# Altium PCB PCB1.PcbDoc (part 7 of 15)
Units mil, origin at the board's own origin, x right, y up, seen from the top; angles counter-clockwise.
Board outline 9210.27 x 4350.4 mil, 4 copper layers (Top Layer, Layer 1, Layer 2, Bottom Layer), stack 23.756 mil thick; 1550 components, 1731 nets, 5200 pads, 1882 vias.
Unrouted connection lines stored in the file: 605.
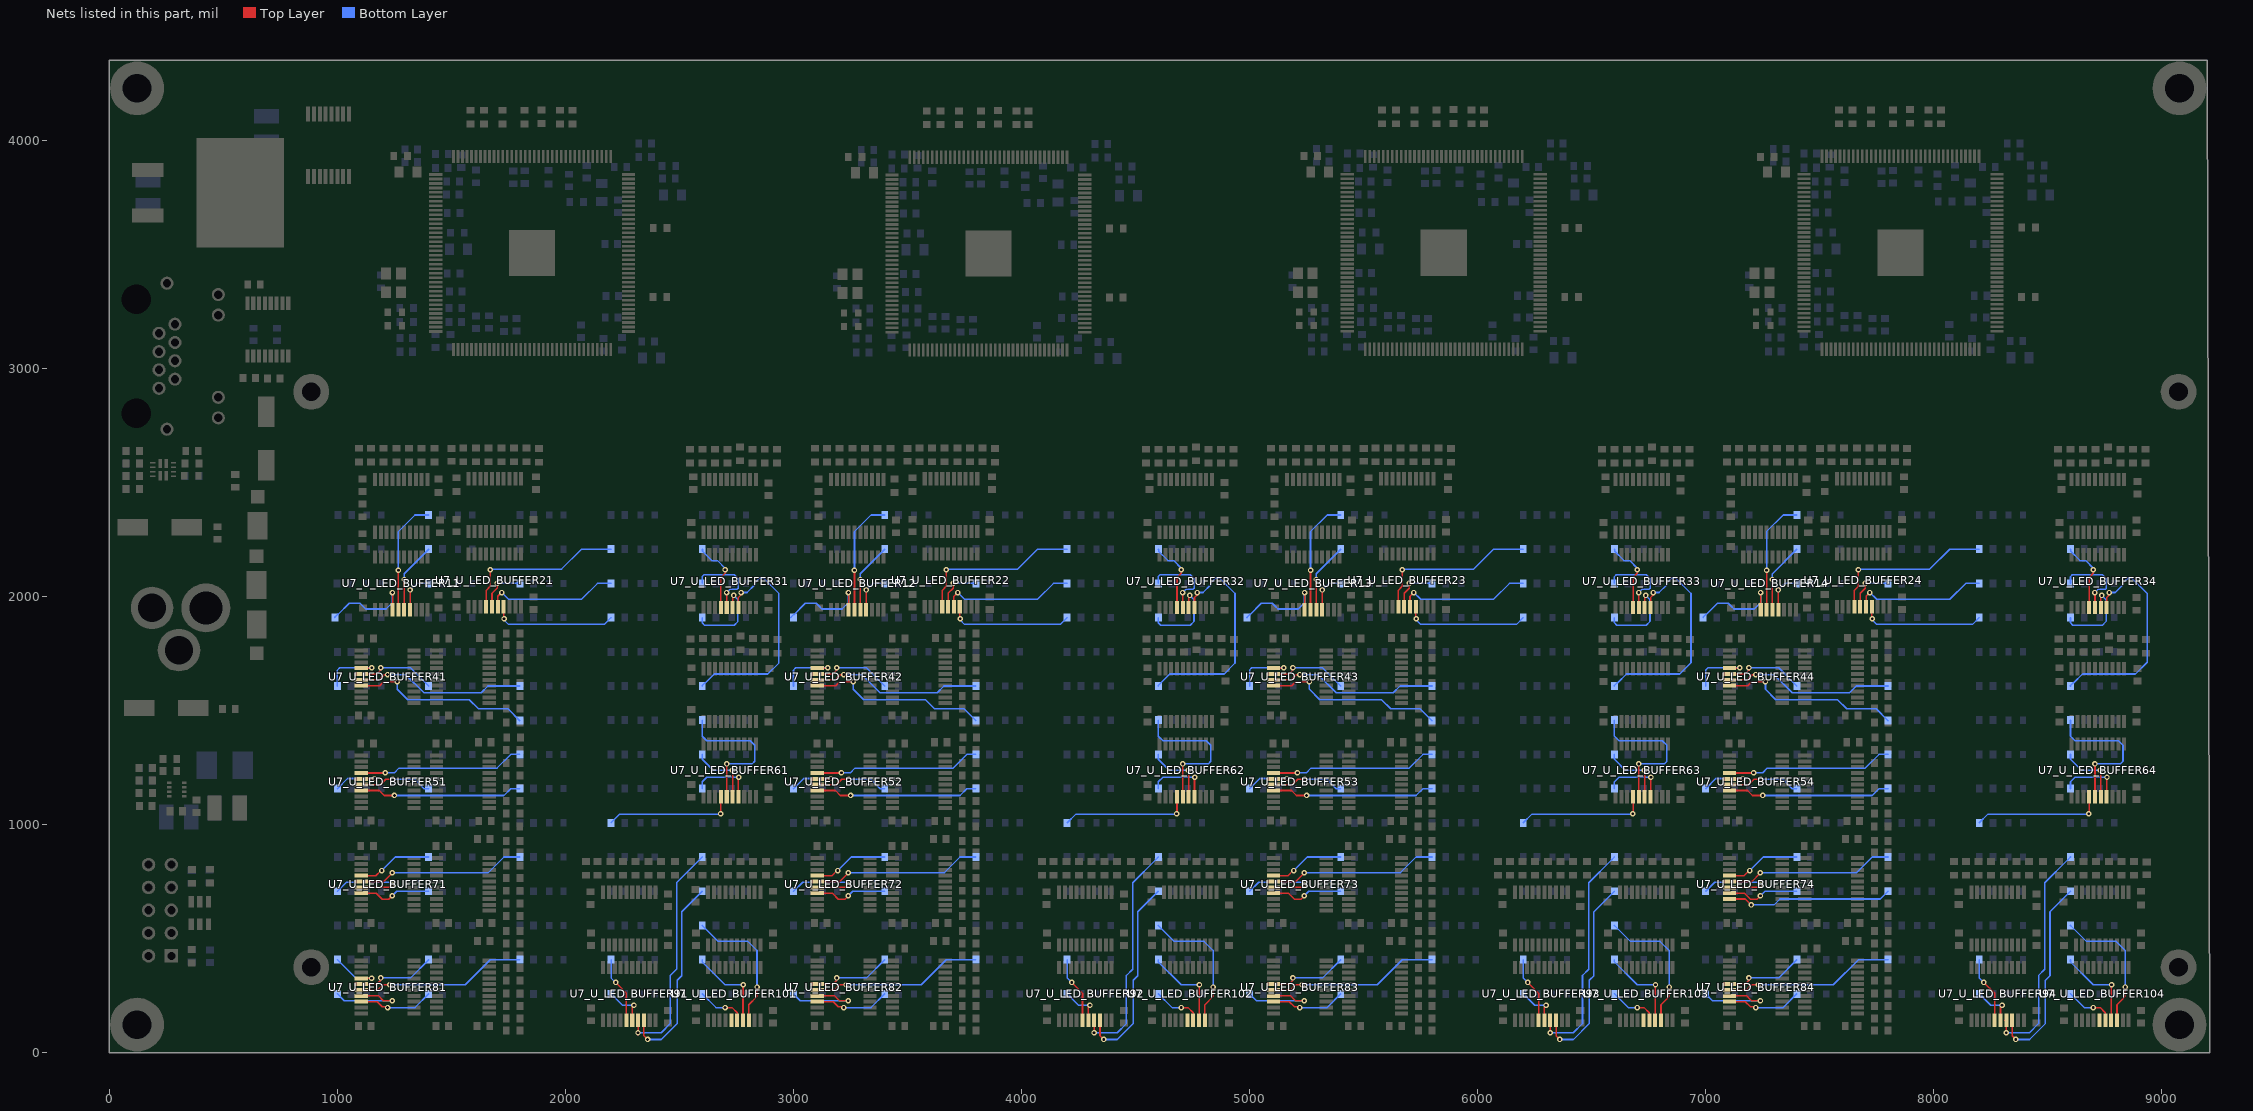
[diagram p9: the nets of this part, all layers, seen from the top]

## Via types
v1: diameter 24, hole 12, Top Layer to Bottom Layer, 1493 vias
v2: diameter 24, hole 12, Top Layer to Bottom Layer, tented both sides, 389 vias

## Nets (pads, with @x,y where several pads share a name; then routed paths per layer and width w, separated by ;. In a path a pad name is that pad's centre, name@x,y a point inside that pad or via, vN(x,y) a via of type N, cw(c..) or ccw(c..) an arc to the next point about the centre after c; other vN are vias at no path point) (continued)
L_OUT1_U_LED_BUFFER74: R9_U_LED_BUFFER74.2 U7_U_LED_BUFFER74.18 | length 731.3
  Top Layer w7: U7_U_LED_BUFFER74.18@7104.96,673.19 7174.61,673.19 v2(7200.63,647.16)
  Bottom Layer w7: v2(7200.63,647.16) 7300.63,647.16 7326.57,673.11 7766.57,673.11 R9_U_LED_BUFFER74.2@7800.63,707.16
L_OUT1_U_LED_BUFFER81: R9_U_LED_BUFFER81.2 U7_U_LED_BUFFER81.18 | length 331.3
  Top Layer w7: U7_U_LED_BUFFER81.18@1104.96,223.19 1174.61,223.19 1197.38,200.42 1217.38,200.42 v2(1220.63,197.16)
  Bottom Layer w7: v2(1220.63,197.16) 1340.63,197.16 R9_U_LED_BUFFER81.2@1400.63,257.16
L_OUT1_U_LED_BUFFER82: R9_U_LED_BUFFER82.2 U7_U_LED_BUFFER82.18 | length 331.3
  Top Layer w7: U7_U_LED_BUFFER82.18@3104.96,223.19 3174.61,223.19 3197.38,200.42 3217.38,200.42 v2(3220.63,197.16)
  Bottom Layer w7: v2(3220.63,197.16) 3340.63,197.16 R9_U_LED_BUFFER82.2@3400.63,257.16
L_OUT1_U_LED_BUFFER83: R9_U_LED_BUFFER83.2 U7_U_LED_BUFFER83.18 | length 331.3
  Top Layer w7: U7_U_LED_BUFFER83.18@5104.96,223.19 5174.61,223.19 5197.38,200.42 5217.38,200.42 v2(5220.63,197.16)
  Bottom Layer w7: v2(5220.63,197.16) 5340.63,197.16 R9_U_LED_BUFFER83.2@5400.63,257.16
L_OUT1_U_LED_BUFFER84: R9_U_LED_BUFFER84.2 U7_U_LED_BUFFER84.18 | length 331.3
  Top Layer w7: U7_U_LED_BUFFER84.18@7104.96,223.19 7174.61,223.19 7197.38,200.42 7217.38,200.42 v2(7220.63,197.16)
  Bottom Layer w7: v2(7220.63,197.16) 7340.63,197.16 R9_U_LED_BUFFER84.2@7400.63,257.16
L_OUT1_U_LED_BUFFER91: R9_U_LED_BUFFER91.2 U7_U_LED_BUFFER91.18 | length 875.5
  Top Layer w7: U7_U_LED_BUFFER91.18@2344.61,141.5 2344.61,73.19 v2(2360.63,57.16)
  Bottom Layer w7: v2(2360.63,57.16) 2420.63,57.16 2490.63,127.16 2490.63,317.16 2510.63,337.16 2510.63,617.16 R9_U_LED_BUFFER91.2@2600.63,707.16
L_OUT1_U_LED_BUFFER92: R9_U_LED_BUFFER92.2 U7_U_LED_BUFFER92.18 | length 875.5
  Top Layer w7: U7_U_LED_BUFFER92.18@4344.61,141.5 4344.61,73.19 v2(4360.63,57.16)
  Bottom Layer w7: v2(4360.63,57.16) 4420.63,57.16 4490.63,127.16 4490.63,317.16 4510.63,337.16 4510.63,617.16 R9_U_LED_BUFFER92.2@4600.63,707.16
L_OUT1_U_LED_BUFFER93: R9_U_LED_BUFFER93.2 U7_U_LED_BUFFER93.18 | length 875.5
  Top Layer w7: U7_U_LED_BUFFER93.18@6344.61,141.5 6344.61,73.19 v2(6360.63,57.16)
  Bottom Layer w7: v2(6360.63,57.16) 6420.63,57.16 6490.63,127.16 6490.63,317.16 6510.63,337.16 6510.63,617.16 R9_U_LED_BUFFER93.2@6600.63,707.16
L_OUT1_U_LED_BUFFER94: R9_U_LED_BUFFER94.2 U7_U_LED_BUFFER94.18 | length 875.5
  Top Layer w7: U7_U_LED_BUFFER94.18@8344.61,141.5 8344.61,73.19 v2(8360.63,57.16)
  Bottom Layer w7: v2(8360.63,57.16) 8420.63,57.16 8490.63,127.16 8490.63,317.16 8510.63,337.16 8510.63,617.16 R9_U_LED_BUFFER94.2@8600.63,707.16
L_OUT1_U_LED_BUFFER101: R9_U_LED_BUFFER101.2 U7_U_LED_BUFFER101.18 | length 606.2
  Top Layer w7: U7_U_LED_BUFFER101.18@2804.61,141.5 2804.61,209.53 2840.63,245.55 v2(2840.63,287.16)
  Bottom Layer w7: R9_U_LED_BUFFER101.2@2600.63,557.16 2670.63,487.16 2800.63,487.16 2840.63,447.16 v2(2840.63,287.16)
L_OUT1_U_LED_BUFFER102: R9_U_LED_BUFFER102.2 U7_U_LED_BUFFER102.18 | length 606.2
  Top Layer w7: U7_U_LED_BUFFER102.18@4804.61,141.5 4804.61,209.53 4840.63,245.55 v2(4840.63,287.16)
  Bottom Layer w7: R9_U_LED_BUFFER102.2@4600.63,557.16 4670.63,487.16 4800.63,487.16 4840.63,447.16 v2(4840.63,287.16)
L_OUT1_U_LED_BUFFER103: R9_U_LED_BUFFER103.2 U7_U_LED_BUFFER103.18 | length 606.2
  Top Layer w7: U7_U_LED_BUFFER103.18@6804.61,141.5 6804.61,209.53 6840.63,245.55 v2(6840.63,287.16)
  Bottom Layer w7: R9_U_LED_BUFFER103.2@6600.63,557.16 6670.63,487.16 6800.63,487.16 6840.63,447.16 v2(6840.63,287.16)
L_OUT1_U_LED_BUFFER104: R9_U_LED_BUFFER104.2 U7_U_LED_BUFFER104.18 | length 606.2
  Top Layer w7: U7_U_LED_BUFFER104.18@8804.61,141.5 8804.61,209.53 8840.63,245.55 v2(8840.63,287.16)
  Bottom Layer w7: R9_U_LED_BUFFER104.2@8600.63,557.16 8670.63,487.16 8800.63,487.16 8840.63,447.16 v2(8840.63,287.16)
L_OUT2_U_LED_BUFFER11: R17_U_LED_BUFFER11.2 U7_U_LED_BUFFER11.17 | length 180.3
  Top Layer w7: U7_U_LED_BUFFER11.17@1319.07,1941.81 v2(1319.07,2028.73)
  Bottom Layer w7: v2(1319.07,2028.73) 1347.51,2057.16 R17_U_LED_BUFFER11.2@1400.63,2057.16
L_OUT2_U_LED_BUFFER12: R17_U_LED_BUFFER12.2 U7_U_LED_BUFFER12.17 | length 180.3
  Top Layer w7: U7_U_LED_BUFFER12.17@3319.07,1941.81 v2(3319.07,2028.73)
  Bottom Layer w7: v2(3319.07,2028.73) 3347.51,2057.16 R17_U_LED_BUFFER12.2@3400.63,2057.16
L_OUT2_U_LED_BUFFER13: R17_U_LED_BUFFER13.2 U7_U_LED_BUFFER13.17 | length 180.3
  Top Layer w7: U7_U_LED_BUFFER13.17@5319.07,1941.81 v2(5319.07,2028.73)
  Bottom Layer w7: v2(5319.07,2028.73) 5347.51,2057.16 R17_U_LED_BUFFER13.2@5400.63,2057.16
L_OUT2_U_LED_BUFFER14: R17_U_LED_BUFFER14.2 U7_U_LED_BUFFER14.17 | length 180.3
  Top Layer w7: U7_U_LED_BUFFER14.17@7319.07,1941.81 v2(7319.07,2028.73)
  Bottom Layer w7: v2(7319.07,2028.73) 7347.51,2057.16 R17_U_LED_BUFFER14.2@7400.63,2057.16
L_OUT2_U_LED_BUFFER21: R17_U_LED_BUFFER21.2 U7_U_LED_BUFFER21.17 | length 548.8
  Top Layer w7: U7_U_LED_BUFFER21.17@1729.61,1954.83 1729.61,1903.33 v2(1731.3,1901.64)
  Bottom Layer w7: v2(1731.3,1901.64) 1731.3,1896.49 1750.63,1877.16 2170.63,1877.16 R17_U_LED_BUFFER21.2@2200.63,1907.16
L_OUT2_U_LED_BUFFER22: R17_U_LED_BUFFER22.2 U7_U_LED_BUFFER22.17 | length 548.8
  Top Layer w7: U7_U_LED_BUFFER22.17@3729.61,1954.83 3729.61,1903.33 v2(3731.3,1901.64)
  Bottom Layer w7: v2(3731.3,1901.64) 3731.3,1896.49 3750.63,1877.16 4170.63,1877.16 R17_U_LED_BUFFER22.2@4200.63,1907.16
L_OUT2_U_LED_BUFFER23: R17_U_LED_BUFFER23.2 U7_U_LED_BUFFER23.17 | length 548.8
  Top Layer w7: U7_U_LED_BUFFER23.17@5729.61,1954.83 5729.61,1903.33 v2(5731.3,1901.64)
  Bottom Layer w7: v2(5731.3,1901.64) 5731.3,1896.49 5750.63,1877.16 6170.63,1877.16 R17_U_LED_BUFFER23.2@6200.63,1907.16
L_OUT2_U_LED_BUFFER24: R17_U_LED_BUFFER24.2 U7_U_LED_BUFFER24.17 | length 548.8
  Top Layer w7: U7_U_LED_BUFFER24.17@7729.61,1954.83 7729.61,1903.33 v2(7731.3,1901.64)
  Bottom Layer w7: v2(7731.3,1901.64) 7731.3,1896.49 7750.63,1877.16 8170.63,1877.16 R17_U_LED_BUFFER24.2@8200.63,1907.16
L_OUT2_U_LED_BUFFER31: R17_U_LED_BUFFER31.2 U7_U_LED_BUFFER31.17 | length 978.4
  Top Layer w7: U7_U_LED_BUFFER31.17@2759.02,1951.5 2759.02,1995.55 2770.63,2007.16 v2(2770.63,2017.16)
  Bottom Layer w7: R17_U_LED_BUFFER31.2@2600.63,1607.16 2600.63,1609.66 2612.13,1621.16 2614.63,1621.16 2653.47,1660 2888.16,1660 2936.56,1708.4 2936.56,2013.06 2869.95,2079.66 2851.31,2079.66 2830.78,2059.14 2830.78,2051.44 2796.5,2017.16 v2(2770.63,2017.16)
L_OUT2_U_LED_BUFFER32: R17_U_LED_BUFFER32.2 U7_U_LED_BUFFER32.17 | length 978.8
  Top Layer w7: U7_U_LED_BUFFER32.17@4759.02,1951.5 4759.02,1995.55 4770.63,2007.16 v2(4770.63,2017.16)
  Bottom Layer w7: R17_U_LED_BUFFER32.2@4600.63,1607.16 4600.63,1609.66 4650.97,1660 4888.92,1660 4936.56,1707.64 4936.56,2013.06 4869.95,2079.66 4851.31,2079.66 4830.78,2059.14 4830.78,2051.44 4796.5,2017.16 v2(4770.63,2017.16)
L_OUT2_U_LED_BUFFER33: R17_U_LED_BUFFER33.2 U7_U_LED_BUFFER33.17 | length 977.6
  Top Layer w7: U7_U_LED_BUFFER33.17@6759.02,1951.5 6759.02,1995.55 6770.63,2007.16 v2(6770.63,2017.16)
  Bottom Layer w7: R17_U_LED_BUFFER33.2@6600.63,1607.16 6600.63,1609.66 6612.13,1621.16 6614.63,1621.16 6653.47,1660 6886.87,1660 6936.56,1709.69 6936.56,2013.06 6869.95,2079.66 6851.31,2079.66 6830.78,2059.14 6830.78,2051.44 6796.5,2017.16 v2(6770.63,2017.16)
L_OUT2_U_LED_BUFFER34: R17_U_LED_BUFFER34.2 U7_U_LED_BUFFER34.17 | length 976.7
  Top Layer w7: U7_U_LED_BUFFER34.17@8759.02,1951.5 8759.02,1995.55 8770.63,2007.16 v2(8770.63,2017.16)
  Bottom Layer w7: R17_U_LED_BUFFER34.2@8600.63,1607.16 8600.63,1609.66 8612.13,1621.16 8614.63,1621.16 8653.47,1660 8885.3,1660 8936.56,1711.26 8936.56,2013.06 8869.95,2079.66 8851.31,2079.66 8830.78,2059.14 8830.78,2051.44 8796.5,2017.16 v2(8770.63,2017.16)
L_OUT2_U_LED_BUFFER41: R17_U_LED_BUFFER41.2 U7_U_LED_BUFFER41.17 | length 792.6
  Top Layer w7: U7_U_LED_BUFFER41.17@1104.96,1608.78 1185.74,1608.78 1202.71,1625.75 v2(1262.97,1625.75)
  Bottom Layer w7: v2(1262.97,1625.75) 1262.97,1592.61 1308.42,1547.16 1579.12,1547.16 1619.12,1507.16 1748.42,1507.16 R17_U_LED_BUFFER41.2@1800.44,1455.14
L_OUT2_U_LED_BUFFER42: R17_U_LED_BUFFER42.2 U7_U_LED_BUFFER42.17 | length 792.6
  Top Layer w7: U7_U_LED_BUFFER42.17@3104.96,1608.78 3185.74,1608.78 3202.71,1625.75 v2(3262.97,1625.75)
  Bottom Layer w7: v2(3262.97,1625.75) 3262.97,1592.61 3308.42,1547.16 3579.12,1547.16 3619.12,1507.16 3748.42,1507.16 R17_U_LED_BUFFER42.2@3800.44,1455.14
L_OUT2_U_LED_BUFFER43: R17_U_LED_BUFFER43.2 U7_U_LED_BUFFER43.17 | length 792.6
  Top Layer w7: U7_U_LED_BUFFER43.17@5104.96,1608.78 5185.74,1608.78 5202.71,1625.75 v2(5262.97,1625.75)
  Bottom Layer w7: v2(5262.97,1625.75) 5262.97,1592.61 5308.42,1547.16 5579.12,1547.16 5619.12,1507.16 5748.42,1507.16 R17_U_LED_BUFFER43.2@5800.44,1455.14
L_OUT2_U_LED_BUFFER44: R17_U_LED_BUFFER44.2 U7_U_LED_BUFFER44.17 | length 792.6
  Top Layer w7: U7_U_LED_BUFFER44.17@7104.96,1608.78 7185.74,1608.78 7202.71,1625.75 v2(7262.97,1625.75)
  Bottom Layer w7: v2(7262.97,1625.75) 7262.97,1592.61 7308.42,1547.16 7579.12,1547.16 7619.12,1507.16 7748.42,1507.16 R17_U_LED_BUFFER44.2@7800.44,1455.14
L_OUT2_U_LED_BUFFER51: R17_U_LED_BUFFER51.2 U7_U_LED_BUFFER51.17 | length 717
  Top Layer w7: U7_U_LED_BUFFER51.17@1104.96,1148.78 1184.37,1148.78 1205.98,1127.16 1248.03,1127.16 v2(1250.63,1127.16)
  Bottom Layer w7: v2(1250.63,1127.16) 1730.63,1127.16 1760.63,1157.16 R17_U_LED_BUFFER51.2@1800.63,1157.16
L_OUT2_U_LED_BUFFER52: R17_U_LED_BUFFER52.2 U7_U_LED_BUFFER52.17 | length 717
  Top Layer w7: U7_U_LED_BUFFER52.17@3104.96,1148.78 3184.37,1148.78 3205.98,1127.16 3248.03,1127.16 v2(3250.63,1127.16)
  Bottom Layer w7: v2(3250.63,1127.16) 3730.63,1127.16 3760.63,1157.16 R17_U_LED_BUFFER52.2@3800.63,1157.16
L_OUT2_U_LED_BUFFER53: R17_U_LED_BUFFER53.2 U7_U_LED_BUFFER53.17 | length 717
  Top Layer w7: U7_U_LED_BUFFER53.17@5104.96,1148.78 5184.37,1148.78 5205.98,1127.16 5248.03,1127.16 v2(5250.63,1127.16)
  Bottom Layer w7: v2(5250.63,1127.16) 5730.63,1127.16 5760.63,1157.16 R17_U_LED_BUFFER53.2@5800.63,1157.16
L_OUT2_U_LED_BUFFER54: R17_U_LED_BUFFER54.2 U7_U_LED_BUFFER54.17 | length 717
  Top Layer w7: U7_U_LED_BUFFER54.17@7104.96,1148.78 7184.37,1148.78 7205.98,1127.16 7248.03,1127.16 v2(7250.63,1127.16)
  Bottom Layer w7: v2(7250.63,1127.16) 7730.63,1127.16 7760.63,1157.16 R17_U_LED_BUFFER54.2@7800.63,1157.16
L_OUT2_U_LED_BUFFER61: R17_U_LED_BUFFER61.2 U7_U_LED_BUFFER61.17 | length 284.5
  Top Layer w7: v2@2756.81,1206.78 2759.02,1204.57 U7_U_LED_BUFFER61.17@2759.02,1121.5
  Bottom Layer w7: R17_U_LED_BUFFER61.2@2600.63,1157.16 2600.63,1187.16 2620.63,1207.16 v2(2760.63,1207.16)
L_OUT2_U_LED_BUFFER62: R17_U_LED_BUFFER62.2 U7_U_LED_BUFFER62.17 | length 284.5
  Top Layer w7: v2@4756.81,1206.78 4759.02,1204.57 U7_U_LED_BUFFER62.17@4759.02,1121.5
  Bottom Layer w7: R17_U_LED_BUFFER62.2@4600.63,1157.16 4600.63,1187.16 4620.63,1207.16 v2(4760.63,1207.16)
L_OUT2_U_LED_BUFFER63: R17_U_LED_BUFFER63.2 U7_U_LED_BUFFER63.17 | length 284.5
  Top Layer w7: v2@6756.81,1206.78 6759.02,1204.57 U7_U_LED_BUFFER63.17@6759.02,1121.5
  Bottom Layer w7: R17_U_LED_BUFFER63.2@6600.63,1157.16 6600.63,1187.16 6620.63,1207.16 v2(6760.63,1207.16)
L_OUT2_U_LED_BUFFER64: R17_U_LED_BUFFER64.2 U7_U_LED_BUFFER64.17 | length 284.5
  Top Layer w7: v2@8756.81,1206.78 8759.02,1204.57 U7_U_LED_BUFFER64.17@8759.02,1121.5
  Bottom Layer w7: R17_U_LED_BUFFER64.2@8600.63,1157.16 8600.63,1187.16 8620.63,1207.16 v2(8760.63,1207.16)
L_OUT2_U_LED_BUFFER71: R17_U_LED_BUFFER71.2 U7_U_LED_BUFFER71.17 | length 320.8
  Top Layer w7: U7_U_LED_BUFFER71.17@1104.96,698.78 1171.18,698.78 1197.35,672.61 1226.07,672.61 v2(1240.63,687.16)
  Bottom Layer w7: v2(1240.63,687.16) 1260.63,707.16 R17_U_LED_BUFFER71.2@1400.63,707.16
L_OUT2_U_LED_BUFFER72: R17_U_LED_BUFFER72.2 U7_U_LED_BUFFER72.17 | length 320.8
  Top Layer w7: U7_U_LED_BUFFER72.17@3104.96,698.78 3171.18,698.78 3197.35,672.61 3226.07,672.61 v2(3240.63,687.16)
  Bottom Layer w7: v2(3240.63,687.16) 3260.63,707.16 R17_U_LED_BUFFER72.2@3400.63,707.16
L_OUT2_U_LED_BUFFER73: R17_U_LED_BUFFER73.2 U7_U_LED_BUFFER73.17 | length 320.8
  Top Layer w7: U7_U_LED_BUFFER73.17@5104.96,698.78 5171.18,698.78 5197.35,672.61 5226.07,672.61 v2(5240.63,687.16)
  Bottom Layer w7: v2(5240.63,687.16) 5260.63,707.16 R17_U_LED_BUFFER73.2@5400.63,707.16
L_OUT2_U_LED_BUFFER74: R17_U_LED_BUFFER74.2 U7_U_LED_BUFFER74.17 | length 320.8
  Top Layer w7: U7_U_LED_BUFFER74.17@7104.96,698.78 7171.18,698.78 7197.35,672.61 7226.07,672.61 v2(7240.63,687.16)
  Bottom Layer w7: v2(7240.63,687.16) 7260.63,707.16 R17_U_LED_BUFFER74.2@7400.63,707.16
L_OUT2_U_LED_BUFFER81: R17_U_LED_BUFFER81.2 U7_U_LED_BUFFER81.17 | length 397
  Top Layer w7: U7_U_LED_BUFFER81.17@1104.96,248.78 1180.36,248.78 1201.98,227.16 v2(1240.63,227.16)
  Bottom Layer w7: R17_U_LED_BUFFER81.2@1000.63,257.16 1030.63,227.16 v2(1240.63,227.16)
L_OUT2_U_LED_BUFFER82: R17_U_LED_BUFFER82.2 U7_U_LED_BUFFER82.17 | length 397
  Top Layer w7: U7_U_LED_BUFFER82.17@3104.96,248.78 3180.36,248.78 3201.98,227.16 v2(3240.63,227.16)
  Bottom Layer w7: R17_U_LED_BUFFER82.2@3000.63,257.16 3030.63,227.16 v2(3240.63,227.16)
L_OUT2_U_LED_BUFFER83: R17_U_LED_BUFFER83.2 U7_U_LED_BUFFER83.17 | length 397
  Top Layer w7: U7_U_LED_BUFFER83.17@5104.96,248.78 5180.36,248.78 5201.98,227.16 v2(5240.63,227.16)
  Bottom Layer w7: R17_U_LED_BUFFER83.2@5000.63,257.16 5030.63,227.16 v2(5240.63,227.16)
L_OUT2_U_LED_BUFFER84: R17_U_LED_BUFFER84.2 U7_U_LED_BUFFER84.17 | length 397
  Top Layer w7: U7_U_LED_BUFFER84.17@7104.96,248.78 7180.36,248.78 7201.98,227.16 v2(7240.63,227.16)
  Bottom Layer w7: R17_U_LED_BUFFER84.2@7000.63,257.16 7030.63,227.16 v2(7240.63,227.16)
L_OUT2_U_LED_BUFFER91: R17_U_LED_BUFFER91.2 U7_U_LED_BUFFER91.17 | length 1023.9
  Top Layer w7: U7_U_LED_BUFFER91.17@2312.79,141.5 U7_U_LED_BUFFER91.17@2319.02,141.5 2319.02,78.78 2318.68,79.11 v2(2318.68,86.98)
  Bottom Layer w7: v2(2318.68,86.98) 2420.44,86.98 2460.63,127.16 2460.63,337.64 2487.82,364.83 2487.82,744.35 2589.94,846.47 R17_U_LED_BUFFER91.2@2600.63,857.16
L_OUT2_U_LED_BUFFER92: R17_U_LED_BUFFER92.2 U7_U_LED_BUFFER92.17 | length 1023.9
  Top Layer w7: U7_U_LED_BUFFER92.17@4312.79,141.5 U7_U_LED_BUFFER92.17@4319.02,141.5 4319.02,78.78 4318.68,79.11 v2(4318.68,86.98)
  Bottom Layer w7: v2(4318.68,86.98) 4420.44,86.98 4460.63,127.16 4460.63,337.64 4487.82,364.83 4487.82,744.35 4589.94,846.47 R17_U_LED_BUFFER92.2@4600.63,857.16
L_OUT2_U_LED_BUFFER93: R17_U_LED_BUFFER93.2 U7_U_LED_BUFFER93.17 | length 1023.9
  Top Layer w7: U7_U_LED_BUFFER93.17@6312.79,141.5 U7_U_LED_BUFFER93.17@6319.02,141.5 6319.02,78.78 6318.68,79.11 v2(6318.68,86.98)
  Bottom Layer w7: v2(6318.68,86.98) 6420.44,86.98 6460.63,127.16 6460.63,337.64 6487.82,364.83 6487.82,744.35 6589.94,846.47 R17_U_LED_BUFFER93.2@6600.63,857.16
L_OUT2_U_LED_BUFFER94: R17_U_LED_BUFFER94.2 U7_U_LED_BUFFER94.17 | length 1023.9
  Top Layer w7: U7_U_LED_BUFFER94.17@8312.79,141.5 U7_U_LED_BUFFER94.17@8319.02,141.5 8319.02,78.78 8318.68,79.11 v2(8318.68,86.98)
  Bottom Layer w7: v2(8318.68,86.98) 8420.44,86.98 8460.63,127.16 8460.63,337.64 8487.82,364.83 8487.82,744.35 8589.94,846.47 R17_U_LED_BUFFER94.2@8600.63,857.16
L_OUT2_U_LED_BUFFER101: R17_U_LED_BUFFER101.2 U7_U_LED_BUFFER101.17 | length 387.8
  Top Layer w7: U7_U_LED_BUFFER101.17@2779.02,141.5 2779.02,295.55 v2(2780.63,297.16)
  Bottom Layer w7: R17_U_LED_BUFFER101.2@2600.63,407.16 2600.63,397.16 2700.63,297.16 v2(2780.63,297.16)
L_OUT2_U_LED_BUFFER102: R17_U_LED_BUFFER102.2 U7_U_LED_BUFFER102.17 | length 387.8
  Top Layer w7: U7_U_LED_BUFFER102.17@4779.02,141.5 4779.02,295.55 v2(4780.63,297.16)
  Bottom Layer w7: R17_U_LED_BUFFER102.2@4600.63,407.16 4600.63,397.16 4700.63,297.16 v2(4780.63,297.16)
L_OUT2_U_LED_BUFFER103: R17_U_LED_BUFFER103.2 U7_U_LED_BUFFER103.17 | length 387.8
  Top Layer w7: U7_U_LED_BUFFER103.17@6779.02,141.5 6779.02,295.55 v2(6780.63,297.16)
  Bottom Layer w7: R17_U_LED_BUFFER103.2@6600.63,407.16 6600.63,397.16 6700.63,297.16 v2(6780.63,297.16)
L_OUT2_U_LED_BUFFER104: R17_U_LED_BUFFER104.2 U7_U_LED_BUFFER104.17 | length 387.8
  Top Layer w7: U7_U_LED_BUFFER104.17@8779.02,141.5 8779.02,295.55 v2(8780.63,297.16)
  Bottom Layer w7: R17_U_LED_BUFFER104.2@8600.63,407.16 8600.63,397.16 8700.63,297.16 v2(8780.63,297.16)
L_OUT3_U_LED_BUFFER11: R19_U_LED_BUFFER11.2 U7_U_LED_BUFFER11.16 | length 309.7
  Top Layer w7: U7_U_LED_BUFFER11.16@1293.48,1941.81 v2(1293.48,2074.32)
  Bottom Layer w7: v2(1293.48,2074.32) 1293.48,2100.01 R19_U_LED_BUFFER11.2@1400.63,2207.16
L_OUT3_U_LED_BUFFER12: R19_U_LED_BUFFER12.2 U7_U_LED_BUFFER12.16 | length 309.7
  Top Layer w7: U7_U_LED_BUFFER12.16@3293.48,1941.81 v2(3293.48,2074.32)
  Bottom Layer w7: v2(3293.48,2074.32) 3293.48,2100.01 R19_U_LED_BUFFER12.2@3400.63,2207.16
L_OUT3_U_LED_BUFFER13: R19_U_LED_BUFFER13.2 U7_U_LED_BUFFER13.16 | length 309.7
  Top Layer w7: U7_U_LED_BUFFER13.16@5293.48,1941.81 v2(5293.48,2074.32)
  Bottom Layer w7: v2(5293.48,2074.32) 5293.48,2100.01 R19_U_LED_BUFFER13.2@5400.63,2207.16
L_OUT3_U_LED_BUFFER14: R19_U_LED_BUFFER14.2 U7_U_LED_BUFFER14.16 | length 309.7
  Top Layer w7: U7_U_LED_BUFFER14.16@7293.48,1941.81 v2(7293.48,2074.32)
  Bottom Layer w7: v2(7293.48,2074.32) 7293.48,2100.01 R19_U_LED_BUFFER14.2@7400.63,2207.16
L_OUT3_U_LED_BUFFER21: R19_U_LED_BUFFER21.2 U7_U_LED_BUFFER21.16 | length 590.6
  Top Layer w7: U7_U_LED_BUFFER21.16@1704.02,1954.83 1704.02,2000.56 v2(1720.63,2017.16)
  Bottom Layer w7: v2(1720.63,2017.16) 1750.63,1987.16 2070.63,1987.16 2140.63,2057.16 R19_U_LED_BUFFER21.2@2200.63,2057.16
L_OUT3_U_LED_BUFFER22: R19_U_LED_BUFFER22.2 U7_U_LED_BUFFER22.16 | length 590.6
  Top Layer w7: U7_U_LED_BUFFER22.16@3704.02,1954.83 3704.02,2000.56 v2(3720.63,2017.16)
  Bottom Layer w7: v2(3720.63,2017.16) 3750.63,1987.16 4070.63,1987.16 4140.63,2057.16 R19_U_LED_BUFFER22.2@4200.63,2057.16
L_OUT3_U_LED_BUFFER23: R19_U_LED_BUFFER23.2 U7_U_LED_BUFFER23.16 | length 590.6
  Top Layer w7: U7_U_LED_BUFFER23.16@5704.02,1954.83 5704.02,2000.56 v2(5720.63,2017.16)
  Bottom Layer w7: v2(5720.63,2017.16) 5750.63,1987.16 6070.63,1987.16 6140.63,2057.16 R19_U_LED_BUFFER23.2@6200.63,2057.16
L_OUT3_U_LED_BUFFER24: R19_U_LED_BUFFER24.2 U7_U_LED_BUFFER24.16 | length 590.6
  Top Layer w7: U7_U_LED_BUFFER24.16@7704.02,1954.83 7704.02,2000.56 v2(7720.63,2017.16)
  Bottom Layer w7: v2(7720.63,2017.16) 7750.63,1987.16 8070.63,1987.16 8140.63,2057.16 R19_U_LED_BUFFER24.2@8200.63,2057.16
L_OUT3_U_LED_BUFFER31: R19_U_LED_BUFFER31.2 U7_U_LED_BUFFER31.16 | length 366.5
  Top Layer w7: U7_U_LED_BUFFER31.16@2733.43,1951.5 2733.43,1999.71 v2(2738.14,2004.43)
  Bottom Layer w7: R19_U_LED_BUFFER31.2@2600.63,1907.16 2600.63,1884.18 2610.63,1874.18 2740.53,1874.18 2756.69,1890.34 2756.69,1985.88 v2(2738.14,2004.43)
L_OUT3_U_LED_BUFFER32: R19_U_LED_BUFFER32.2 U7_U_LED_BUFFER32.16 | length 366.5
  Top Layer w7: U7_U_LED_BUFFER32.16@4733.43,1951.5 4733.43,1999.71 v2(4738.14,2004.43)
  Bottom Layer w7: R19_U_LED_BUFFER32.2@4600.63,1907.16 4600.63,1884.18 4610.63,1874.18 4740.53,1874.18 4756.69,1890.34 4756.69,1985.88 v2(4738.14,2004.43)
L_OUT3_U_LED_BUFFER33: R19_U_LED_BUFFER33.2 U7_U_LED_BUFFER33.16 | length 366.5
  Top Layer w7: U7_U_LED_BUFFER33.16@6733.43,1951.5 6733.43,1999.71 v2(6738.14,2004.43)
  Bottom Layer w7: R19_U_LED_BUFFER33.2@6600.63,1907.16 6600.63,1884.18 6610.63,1874.18 6740.53,1874.18 6756.69,1890.34 6756.69,1985.88 v2(6738.14,2004.43)
L_OUT3_U_LED_BUFFER34: R19_U_LED_BUFFER34.2 U7_U_LED_BUFFER34.16 | length 366.5
  Top Layer w7: U7_U_LED_BUFFER34.16@8733.43,1951.5 8733.43,1999.71 v2(8738.14,2004.43)
  Bottom Layer w7: R19_U_LED_BUFFER34.2@8600.63,1907.16 8600.63,1884.18 8610.63,1874.18 8740.53,1874.18 8756.69,1890.34 8756.69,1985.88 v2(8738.14,2004.43)
L_OUT3_U_LED_BUFFER41: R19_U_LED_BUFFER41.2 U7_U_LED_BUFFER41.16 | length 750.2
  Top Layer w7: U7_U_LED_BUFFER41.16@1104.96,1634.37 1182.61,1634.37 1205.4,1657.16 v2(1220.63,1657.16)
  Bottom Layer w7: v2(1220.63,1657.16) 1300.63,1657.16 1380.1,1577.69 1631.16,1577.69 1660.63,1607.16 R19_U_LED_BUFFER41.2@1800.63,1607.16
L_OUT3_U_LED_BUFFER42: R19_U_LED_BUFFER42.2 U7_U_LED_BUFFER42.16 | length 750.2
  Top Layer w7: U7_U_LED_BUFFER42.16@3104.96,1634.37 3182.61,1634.37 3205.4,1657.16 v2(3220.63,1657.16)
  Bottom Layer w7: v2(3220.63,1657.16) 3300.63,1657.16 3380.1,1577.69 3631.16,1577.69 3660.63,1607.16 R19_U_LED_BUFFER42.2@3800.63,1607.16
L_OUT3_U_LED_BUFFER43: R19_U_LED_BUFFER43.2 U7_U_LED_BUFFER43.16 | length 750.2
  Top Layer w7: U7_U_LED_BUFFER43.16@5104.96,1634.37 5182.61,1634.37 5205.4,1657.16 v2(5220.63,1657.16)
  Bottom Layer w7: v2(5220.63,1657.16) 5300.63,1657.16 5380.1,1577.69 5631.16,1577.69 5660.63,1607.16 R19_U_LED_BUFFER43.2@5800.63,1607.16
L_OUT3_U_LED_BUFFER44: R19_U_LED_BUFFER44.2 U7_U_LED_BUFFER44.16 | length 750.2
  Top Layer w7: U7_U_LED_BUFFER44.16@7104.96,1634.37 7182.61,1634.37 7205.4,1657.16 v2(7220.63,1657.16)